# Altium PCB BLE_Gamepad_PCB.PcbDoc (part 2 of 2) (continued)
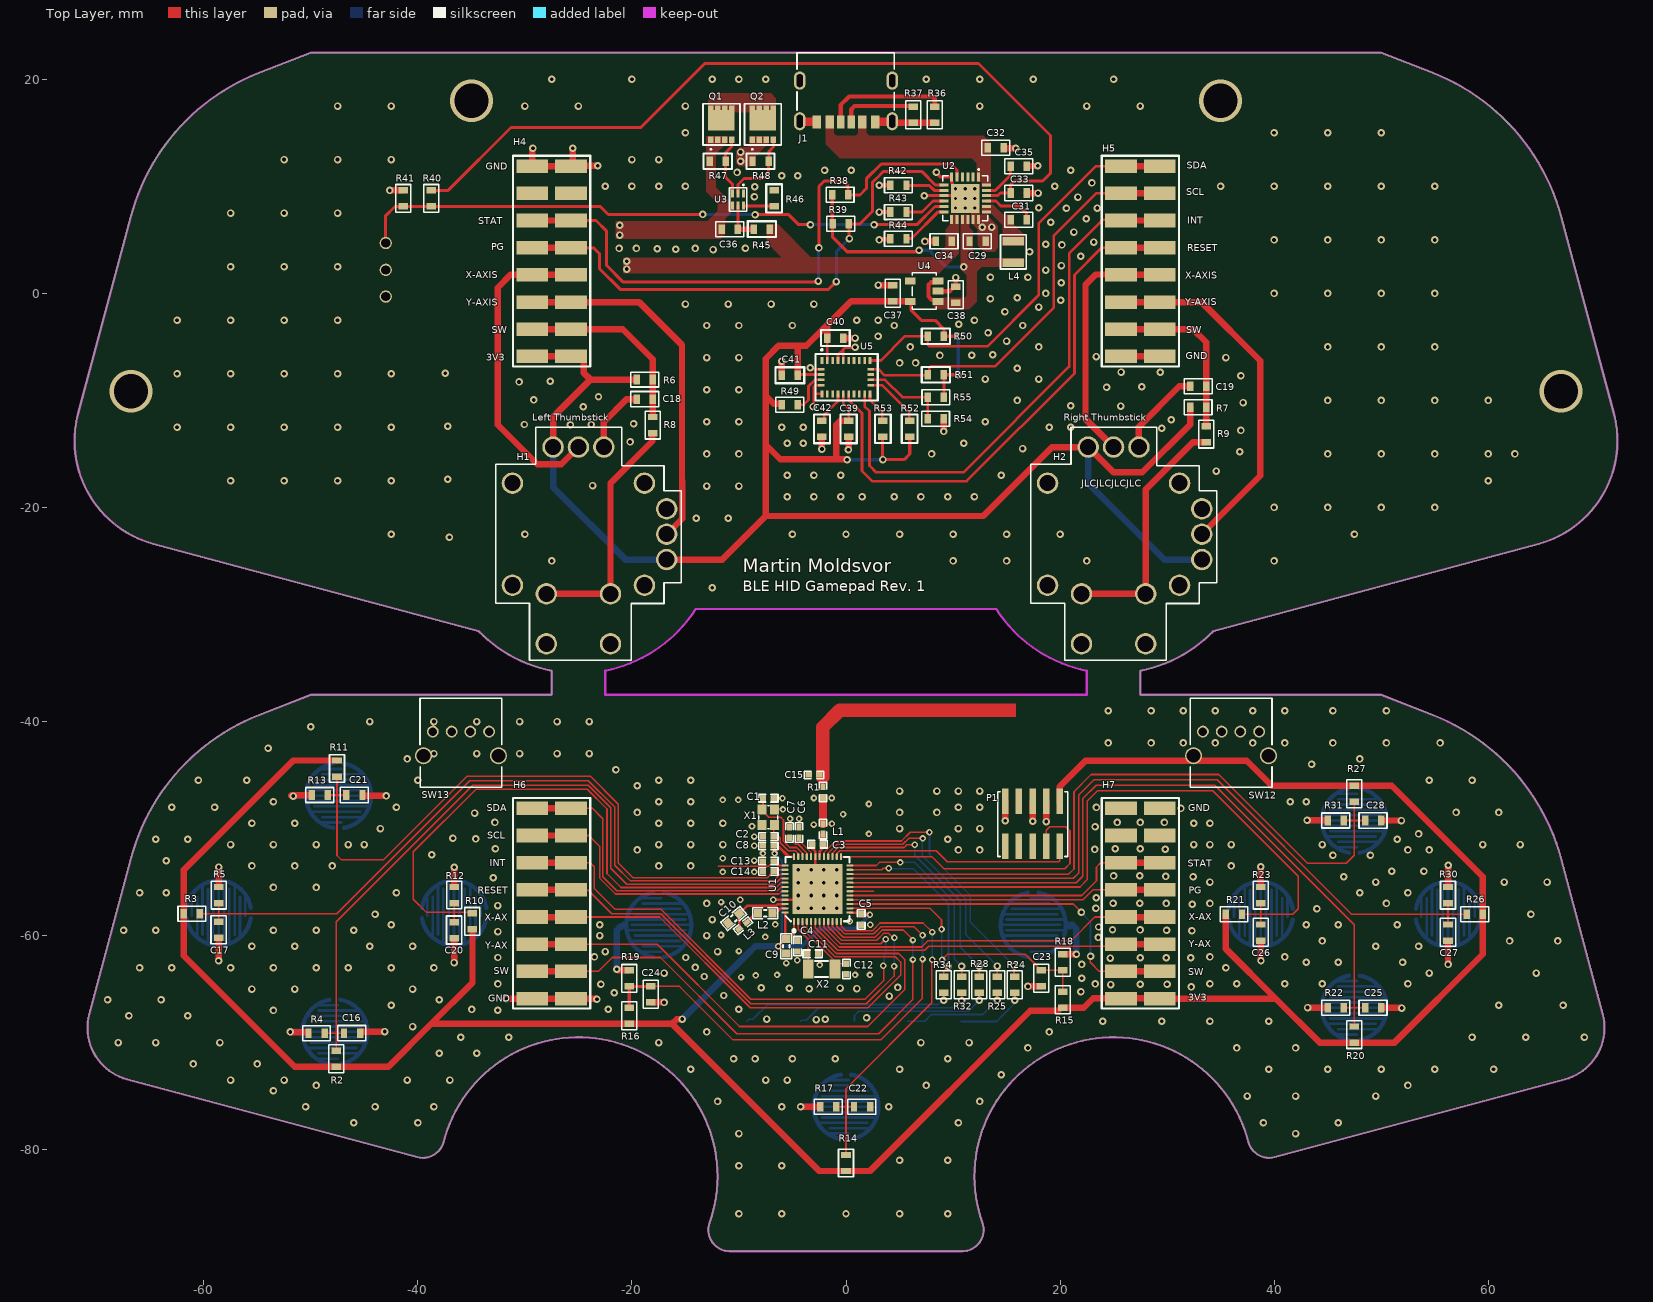
[diagram p0: Top Layer view]
## Nets (pads, with @x,y where several pads share a name; then routed paths per layer and width w, separated by ;. In a path a pad name is that pad's centre, name@x,y a point inside that pad or via, vN(x,y) a via of type N, cw(c..) or ccw(c..) an arc to the next point about the centre after c; other vN are vias at no path point) (continued)
P0.04/AIN2: H7.3 U1.6 | length 33.9
  Top Layer w0.152: U1.6@-2.861,-58.682 -2.861,-59.282 -0.772,-61.371 2.567,-61.371 7.354,-61.371 7.725,-61 25.51,-61 H7.3@25.7,-60.81
  Top Layer w0.6: H7.3@25.7,-60.81 H7.3@29.3,-60.81
P0.05/AIN3: H7.4 U1.7 | length 34.2
  Top Layer w0.152: U1.7@-2.461,-58.682 -2.461,-59.248 -0.645,-61.063 2.638,-61.063 7.087,-61.063 7.65,-60.5 21.015,-60.5 23.245,-58.27 H7.4@25.7,-58.27
  Top Layer w0.6: H7.4@25.7,-58.27 H7.4@29.3,-58.27
P0.06: H6.6 U1.8 | length 51.1
  Top Layer w0.152: H6.6@-25.7,-53.19 -23.91,-53.19 -23.525,-53.575 -23.525,-55.6 -21.575,-57.55 -17.295,-57.55 -8.895,-65.95 1.775,-65.95 3.525,-64.2 3.525,-62.875 v2(3.475,-62.825) ; U1.8@-2.061,-58.682 -2.061,-59.216 -0.519,-60.759 2.567,-60.759 3.246,-60.759 3.666,-60.339 v2(3.714,-60.339)
  Top Layer w0.6: H6.6@-29.3,-53.19 H6.6@-25.7,-53.19
  Bottom Layer w0.152: v2(3.475,-62.825) 3.563,-62.737 3.563,-61.712 3.714,-61.561 v2(3.714,-60.339)
P0.07: H6.5 U1.9 | length 50.5
  Top Layer w0.152: H6.5@-25.7,-55.73 -25.661,-55.769 -24.081,-55.769 -21.884,-57.966 -17.309,-57.966 -8.9,-66.375 1.9,-66.375 4.491,-63.784 v2(4.491,-62.859) ; U1.9@-1.661,-58.682 -1.661,-59.185 -0.393,-60.454 2.844,-60.454 2.92,-60.378 3.498,-59.8 4.001,-59.8 4.401,-60.2 v2(4.525,-60.2)
  Top Layer w0.6: H6.5@-29.3,-55.73 H6.5@-25.7,-55.73
  Bottom Layer w0.152: v2(4.491,-62.859) v2@4.491,-60.218
P0.08: H6.2 U1.10 | length 54.9
  Top Layer w0.152: H6.2@-25.7,-63.35 -23.15,-63.35 -21.85,-62.05 -17.325,-62.05 -10.204,-69.171 3.054,-69.171 6.25,-65.975 v2(6.25,-62.238) v2@6.25,-62.219 ; U1.10@-1.261,-58.682 -1.261,-59.154 -0.266,-60.149 2.718,-60.149 3.388,-59.48 5.355,-59.48 5.778,-59.903 6.25,-60.375 v2(6.25,-60.425)
  Top Layer w0.6: H6.2@-29.3,-63.35 H6.2@-25.7,-63.35
  Bottom Layer w0.152: v2(6.25,-62.238) v2@6.25,-60.5
P0.09: C24.2 R16.1 R19.2 U1.11 | length 48.2
  Top Layer w0.152: C24.2@-18.25,-64.75 -15.55,-64.75 -10.55,-69.75 3.25,-69.75 7.125,-65.875 v2@7.125,-62.182 ; U1.11@-0.861,-58.682 -0.861,-59.123 -0.14,-59.844 2.592,-59.844 3.261,-59.175 5.267,-59.175 6.35,-59.175 v2(7.15,-59.975)
  Top Layer w0.3: R16.1@-20.25,-66.75 R19.2@-20.25,-64.75 C24.2@-18.25,-64.75
  Bottom Layer w0.152: v2@7.125,-60.125 7.15,-60.15 v2(7.15,-62.2)
P0.10: C22.2 R14.1 R17.2 U1.12 | length 35.4
  Top Layer w0.152: R17.2@-0.911,-76 0,-76 ; U1.12@-0.461,-58.682 -0.461,-59.092 -0.014,-59.539 2.461,-59.539 2.482,-59.518 2.488,-59.518 3.18,-58.825 5.222,-58.825 7.2,-58.825 v2(8.05,-59.675) ; R14.1@0,-80.5 0,-76 ; C22.2@0.75,-76 0,-76 ; v2@8.025,-62.268 8.025,-66.275 0,-74.3 0,-76
  Bottom Layer w0.152: v2(8.05,-62.25) v2@8.05,-59.8
P0.11: C23.2 R15.1 R18.2 U1.14 | length 26.9
  Top Layer w0.152: U1.14@0.364,-57.457 2.571,-57.457 7.857,-57.457 8.344,-57.944 8.763,-58.363 8.925,-58.526 v2(8.925,-59.4) ; v2(8.975,-62.25) 9.475,-61.75 16.75,-61.75 C23.2@18.25,-63.25 18.4,-63.25 R18.2@20.25,-63.25 R15.1@20.25,-65.25
  Bottom Layer w0.152: v2(8.925,-59.4) 8.95,-59.425 8.95,-62.225 v2(8.975,-62.25)
P0.12: H7.2 U1.15 | length 34
  Top Layer w0.152: U1.15@0.364,-57.057 2.571,-57.057 21.232,-57.057 v1(22,-57.825) ; v1@22.8,-61.75 22.825,-61.775 22.825,-62.5 23.675,-63.35 H7.2@25.7,-63.35
  Top Layer w0.6: H7.2@25.7,-63.35 H7.2@29.3,-63.35
  Bottom Layer w0.152: v1@21.975,-57.85 22.85,-58.725 v1(22.85,-61.925)
P0.13: H7.5 U1.16 | length 29.3
  Top Layer w0.152: U1.16@0.364,-56.657 2.571,-56.657 22.143,-56.657 23.07,-55.73 H7.5@25.7,-55.73
  Top Layer w0.6: H7.5@25.7,-55.73 H7.5@29.3,-55.73
P0.14: H7.6 U1.17 | length 31
  Top Layer w0.152: U1.17@0.364,-56.257 2.571,-56.257 22.018,-56.257 23.4,-54.875 23.4,-53.6 23.81,-53.19 H7.6@25.7,-53.19
  Top Layer w0.6: H7.6@25.7,-53.19 H7.6@29.3,-53.19
P0.15: U1.18 | length 2.2
  Top Layer w0.152: U1.18@0.364,-55.857 2.571,-55.857
P0.16: C26.2 R21.1 R23.2 U1.19 | length 63.7
  Top Layer w0.152: U1.19@0.364,-55.457 2.571,-55.457 21.863,-55.457 22.525,-54.795 22.525,-47.45 23.5,-46.475 34.275,-46.475 42.25,-54.45 42.25,-57.5 41.75,-58 38.75,-58 ; R21.1@37,-58 38.75,-58 ; C26.2@38.75,-58.965 38.75,-58 ; R23.2@38.75,-56.965 38.75,-58
P0.17: C25.2 R20.1 R22.2 U1.20 | length 72.1
  Top Layer w0.152: U1.20@0.364,-55.057 2.571,-55.057 21.518,-55.057 22.125,-54.45 22.125,-47.2 23.375,-45.95 34.45,-45.95 47.5,-59 47.5,-66.75 ; R22.2@46.5,-66.75 47.5,-66.75 ; R20.1@47.5,-68.5 47.5,-66.75 ; C25.2@48.5,-66.75 47.5,-66.75
P0.18: C27.2 R26.1 R30.2 U1.21 | length 72.9
  Top Layer w0.152: U1.21@0.364,-54.657 2.571,-54.657 21.243,-54.657 21.75,-54.15 21.75,-46.875 23.175,-45.45 34.675,-45.45 47.225,-58 56.25,-58 ; C27.2@56.25,-58.965 56.25,-58 ; R30.2@56.25,-56.965 56.25,-58 ; R26.1@58,-58 56.25,-58
P0.19: C28.2 R27.1 R31.2 U1.22 | length 66
  Top Layer w0.152: U1.22@0.364,-54.257 2.571,-54.257 20.818,-54.257 21.3,-53.775 21.3,-46.55 22.9,-44.95 34.825,-44.95 43.125,-53.25 46.75,-53.25 47.5,-52.5 47.5,-49.25 ; R31.2@46.5,-49.25 47.5,-49.25 ; R27.1@47.5,-47.5 47.5,-49.25 ; C28.2@48.5,-49.25 47.5,-49.25
P0.20: R34.1 U1.23 | length 17.7
  Top Layer w0.152: U1.23@0.364,-53.857 2.571,-53.857 3.334,-53.857 3.467,-53.724 3.976,-53.724 v2(4,-53.7) ; R34.1@9.15,-63.85 9.15,-63.275 v1(9.575,-62.85)
  Bottom Layer w0.152: v2(4,-53.7) 4.049,-53.749 4.533,-53.749 4.534,-53.75 6.3,-53.75 9.575,-57.025 v1(9.575,-62.85)
P0.21: R32.1 U1.24 | length 18.7
  Top Layer w0.152: U1.24@0.364,-53.457 2.571,-53.457 2.843,-53.457 3.134,-53.166 v2(5.075,-53.166) ; R32.1@10.8,-63.85 v1(10.8,-62.875)
  Bottom Layer w0.152: v2(5.075,-53.166) 6.416,-53.166 10.1,-56.85 10.1,-62.175 v1(10.8,-62.875)
P0.22: R28.1 U1.27 | length 23.2
  Top Layer w0.152: U1.27@-1.261,-52.632 -1.261,-52.308 -0.727,-51.774 3.05,-51.774 ; 3.05,-51.774 5.432,-51.774 5.68,-51.525 v2(6.425,-51.525) ; R28.1@12.45,-63.85 v1(12.45,-62.875)
  Bottom Layer w0.152: v2(6.425,-51.525) 6.425,-52.5 10.675,-56.75 10.675,-61.1 v1(12.45,-62.875)
P0.23: R25.1 U1.28 | length 25.6
  Top Layer w0.152: U1.28@-1.661,-52.632 -1.661,-52.277 -0.85,-51.466 3.147,-51.466 5.309,-51.466 5.85,-50.925 v2(7.175,-50.925) ; R25.1@14.125,-63.85 v1(14.125,-62.85)
  Bottom Layer w0.152: v2(7.175,-50.925) 7.125,-50.975 7.125,-52.525 11.175,-56.575 11.175,-59.9 v1(14.125,-62.85)
P0.24: R24.1 U1.29 | length 27.8
  Top Layer w0.152: U1.29@-2.061,-52.632 -2.061,-52.246 -0.976,-51.161 2.571,-51.161 5.183,-51.161 5.995,-50.35 v2(7.8,-50.35) ; v1(15.7,-62.825) 15.7,-63.775 R24.1@15.775,-63.85
  Bottom Layer w0.152: v2(7.8,-50.35) 7.8,-52.425 11.625,-56.25 11.625,-58.75 v1(15.7,-62.825)
P0.25: C13.1 U1.37 | length 6.6
  Top Layer w0.152: -11.932,-53.523 -7.241,-53.523 C13.1@-6.78,-53.062 ; C13.1@-6.759,-53.041 C13.1@-6.78,-53.062 ; U1.37@-5.686,-53.457 -6.385,-53.457 C13.1@-6.78,-53.062
P0.26: C14.1 C21.2 R11.1 R13.2 U1.38 | length 61.9
  Top Layer w0.152: R13.2@-48.42,-46.868 -47.554,-46.868 ; R11.1@-47.554,-45.144 -47.554,-46.868 ; C21.2@-46.677,-46.868 -47.554,-46.868 ; U1.38@-5.686,-53.857 -6.195,-53.857 -6.344,-54.006 -6.809,-54.006 -6.982,-54.18 -6.982,-54.23 -7.343,-54.59 -19.91,-54.59 -21.271,-53.229 -21.271,-47.729 -23.9,-45.1 -35.4,-45.1 -43.2,-52.9 -47.175,-52.9 -47.554,-52.521 -47.554,-46.868
P0.27: C17.2 R3.1 R5.2 U1.39 | length 68.9
  Top Layer w0.152: R3.1@-60.368,-57.964 -58.618,-57.964 ; C17.2@-58.618,-58.714 -58.618,-57.964 ; R5.2@-58.618,-56.964 -58.618,-57.964 ; U1.39@-5.686,-54.257 -6.136,-54.257 -6.754,-54.875 -7.196,-54.875 -7.216,-54.895 -11.944,-54.895 -20.13,-54.895 -21.6,-53.425 -21.6,-47.995 -24.07,-45.525 -35.15,-45.525 -47.589,-57.964 -58.618,-57.964
P0.28/AIN4: C16.2 R2.1 R4.2 U1.40 | length 68.5
  Top Layer w0.152: R4.2@-48.722,-69.118 -47.632,-69.118 ; R2.1@-47.632,-70.75 -47.632,-69.118 ; C16.2@-46.903,-69.118 -47.632,-69.118 ; U1.40@-5.686,-54.657 -6.105,-54.657 -6.648,-55.2 -11.932,-55.2 -20.475,-55.2 -21.975,-53.7 -21.975,-48.05 -24.075,-45.95 -34.875,-45.95 -47.632,-58.707 -47.632,-69.118
P0.29/AIN5: C20.2 R10.1 R12.2 U1.41 | length 56.9
  Top Layer w0.152: C20.2@-36.618,-58.74 -36.618,-57.836 ; R12.2@-36.618,-56.963 -36.618,-57.836 ; R10.1@-34.869,-57.836 -36.618,-57.836 ; U1.41@-5.686,-55.057 -6.074,-55.057 -6.522,-55.505 -11.932,-55.505 -21.02,-55.505 -22.325,-54.2 -22.325,-48.175 -24.175,-46.325 -34.575,-46.325 -40.425,-52.175 -40.425,-56.6 -39.189,-57.836 -36.618,-57.836
P0.30/AIN6: H6.8 U1.42 | length 30.1
  Top Layer w0.152: H6.8@-25.7,-48.11 -23.69,-48.11 -22.721,-49.079 -22.721,-54.499 -21.41,-55.809 -11.932,-55.809 -6.395,-55.809 -6.043,-55.457 U1.42@-5.686,-55.457
  Top Layer w0.6: H6.8@-29.3,-48.11 H6.8@-25.7,-48.11
P0.31/AIN7: H6.7 U1.43 | length 27.7
  Top Layer w0.152: H6.7@-25.7,-50.65 -24.025,-50.65 -23.025,-51.65 -23.025,-54.625 -21.536,-56.114 -11.932,-56.114 -6.269,-56.114 -6.012,-55.857 U1.43@-5.686,-55.857
  Top Layer w0.6: H6.7@-29.3,-50.65 H6.7@-25.7,-50.65
PACK+: C34.2 H3.3 R45.2 U2.13 U2.14
  other v1: -20.475,2.275 -20.475,3
PG: H4.5 R39.1 U2.7 | length 50.1
  Top Layer w0.28: H4.5@-25.7,4.27 -25.694,4.264 -23.589,4.264 -23.05,3.725 -23.05,2.325 -21.1,0.375 -1.625,0.375 v1(-0.9,1.1) ; v1(0.325,5.125) 0.288,5.163 0.288,6.462 R39.1@0.25,6.5 1.3,6.5 2.458,7.658 2.458,10.366 2.834,10.742 2.842,10.742 3.5,11.4 7.076,11.4 8.351,10.125 U2.7@9.164,10.125
  Top Layer w0.6: H4.5@-29.3,4.27 H4.5@-25.7,4.27
  Bottom Layer w0.28: v1(-0.9,1.1) -0.9,3.9 v1(0.325,5.125)
R_SW: C19.2 H5.2 R7.1 R9.1 | length 16.1
  Top Layer w0.6: H5.2@25.7,-3.35 H5.2@29.3,-3.35 32.425,-3.35 33.65,-4.575 C19.2@33.65,-8.675 ; R9.1@33.65,-12.4 C19.2@33.65,-8.875
R_X: H2.2 H5.4 | length 23.6
  Top Layer w0.6: H2.2@25,-14.36 22.375,-11.735 22.375,0.8 23.34,1.765 25.665,1.765 H5.4@25.7,1.73 H5.4@29.3,1.73
R_Y: H2.3 H5.3 | length 33.8
  Top Layer w0.6: H5.3@25.619,-0.891 H5.3@25.7,-0.81 H5.3@29.3,-0.81 33.21,-0.81 38.7,-6.3 38.7,-17.045 H2.3@33.245,-22.5
REGN: C33.2 R40.2 U2.22 | length 76.4
  Top Layer w0.28: R40.2@-38.75,9.625 -37.175,9.625 -31.3,15.5 -19.175,15.5 -13.2,21.475 12.375,21.475 19.1,14.75 19.1,11.225 18.375,10.5 15.725,10.5 15.389,10.164 C33.2@15.389,9.375 14.414,9.375 14.164,9.125 U2.22@13.114,9.125
RF: L1.2 pad.0 R1.1 | length 2.4
  Top Layer w0.762: L1.2@-2.159,-49.561 pad.0@-2.159,-47.148
SA0: R54.1 R55.2 U5.17 | length 8
  Top Layer w0.25: U5.17@2.312,-8.075 3.65,-8.075 5.275,-9.7 R54.1@7.65,-9.7 7.638,-9.713 7.638,-11.688 R55.2@7.625,-11.7
STAT: H4.6 R38.1 U2.5 | length 56.7
  Top Layer w0.28: H4.6@-26.1,6.81 H4.6@-25.7,6.81 -23.36,6.81 -22.4,5.85 -22.4,2.65 -20.8,1.05 -2.974,1.05 -2.954,1.07 -2.68,1.07 v1(-2.6,1.15) ; v1@-2.475,4.275 -2.525,4.325 -2.525,10 -2.025,10.5 -0.25,10.5 0.2,10.05 R38.1@0.2,9.2 1.3,9.2 1.9,9.8 1.9,10.7 3.3,12.1 9.8,12.1 10.379,11.521 U2.5@10.379,10.859
  Top Layer w0.6: H4.6@-29.3,6.81 H4.6@-26.1,6.81
  Bottom Layer w0.28: v1(-2.6,1.15) -2.562,1.188 -2.562,4.212 v1(-2.525,4.25)
SW: C31.2 L4.1 U2.19 U2.20
SWDCLK: P1.4 U1.25 | length 29.1
  Top Layer w0.152: U1.25@-0.461,-52.632 8.032,-52.632 9.15,-53.75 20.45,-53.75 20.925,-53.275 20.925,-50.225 20.525,-49.825 19.025,-49.825 18.7,-50.15 P1.4@18.7,-51.663
SWDIO: P1.5 U1.26 | length 22.9
  Top Layer w0.152: U1.26@-0.861,-52.632 -0.861,-52.342 -0.597,-52.078 8.425,-52.078 9.447,-53.1 19.881,-53.1 19.97,-53.011 P1.5@19.97,-51.825
SYS: C29.2 C38.2 L4.2 R38.2 R39.2 U2.15 U2.16 U4.1 U4.3 | length 20.3
  Top Layer w0.3: R38.2@-1.3,9.2 -1.275,9.175 -1.275,6.525 R39.2@-1.25,6.5 -1.25,5.25 0.1,3.9 v1@6.65,3.9
  Top Layer w0.4: U4.1@8.47,-0.609 8.009,-0.609 7.7,-0.3 7.7,0.797 7.934,1.031 8.47,1.031 U4.3@8.6,1.161
  Bottom Layer w0.3: v1(6.825,4.025) 7.775,4.025 9.325,2.475 v1(11,2.475)
TS: H3.1 R40.1 R41.2 U2.11 | length 56.4
  Top Layer w0.28: H3.1@-43,4.7 -43.047,4.747 -43.047,7.215 -42.136,8.125 R41.2@-41.375,8.125 ; R41.2@-41.25,8.1 -22.932,8.1 -22.207,7.375 v1(-13.375,7.375) ; v1@-8.45,7.35 -5.35,7.35 -4.425,6.425 v1(-3.327,6.425) ; v1(2.625,6.425) 6.619,6.425 8.319,8.125 U2.11@9.164,8.125
  Bottom Layer w0.28: v1(-13.375,7.375) -13.363,7.362 -8.513,7.362 v1(-8.5,7.35) ; v1@-3.375,6.425 v1(-3.327,6.425) v1(2.625,6.425)
V-: R46.2 U3.6 | length 2.9
  Top Layer w0.28: U3.6@-9.586,8.2 -9.586,8.162 -6.749,8.162 R46.2@-6.711,8.125
VBUS: C32.2 J1.A9 J1.B9 U2.1 U2.24
VDD_nRF: C5.1 C8.1 C9.1 H7.1 P1.6 R2.2 R3.2 R10.2 R11.2 R14.2 R15.2 R16.2 R20.2 R21.2 R26.2 R27.2 U1.13 U1.36 U1.48 | length 285.8
  Top Layer w0.152: C5.1@1.284,-57.857 C5.1@1.428,-58.002
  Top Layer w0.229: v2(-6.338,-60.987) -6.338,-60.904 -5.746,-60.312 -5.661,-60.227 U1.48@-5.661,-57.867 ; U1.13@0.364,-57.857 C5.1@1.284,-57.857
  Top Layer w0.254: C8.1@-6.759,-51.618 C8.1@-6.657,-51.618 ; v2(-6.674,-52.33) -6.657,-52.312 C8.1@-6.657,-51.618 ; U1.36@-4.888,-52.634 -5.349,-52.634 -6.365,-51.618 C8.1@-6.657,-51.618
  Top Layer w0.381: C9.1@-5.746,-60.312 C9.1@-5.576,-60.312 ; C5.1@1.428,-58.002 1.45,-58.023 2.22,-58.023 v2(2.241,-58.045)
  Top Layer w0.6: R11.2@-47.554,-43.644 -51.644,-43.644 -61.868,-53.868 R3.2@-61.868,-57.964 -61.868,-61.882 -51.5,-72.25 R2.2@-47.632,-72.25 -42.75,-72.25 -38.75,-68.25 ; R10.2@-34.975,-59.425 R10.2@-34.925,-59.425 -34.9,-59.425 -34.9,-64.4 -38.75,-68.25 ; v1(-15.3,-67.8) -15.319,-67.819 -15.819,-67.819 -16.25,-68.25 ; P1.6@19.97,-47.625 19.97,-46.08 22.375,-43.675 37.45,-43.675 39.775,-46 R27.2@47.5,-46 51,-46 59.5,-54.5 R26.2@59.5,-58 59.5,-61.75 51.25,-70 R20.2@47.5,-70 44.25,-70 40.14,-65.89 ; R21.2@35.5,-58 35.5,-61.25 40.14,-65.89 ; -38.75,-68.25 R16.2@-20.25,-68.25 -16.25,-68.25 ; -16.25,-68.25 -2.5,-82 R14.2@0,-82 2.25,-82 17.225,-67.025 19.825,-67.025 20.1,-66.75 22.2,-66.75 23.1,-65.85 25.7,-65.85 29.26,-65.85 H7.1@29.3,-65.89 40.14,-65.89
  Bottom Layer w0.254: v2(-6.674,-52.33) -6.014,-52.99 -6.014,-60.663 v2(-6.338,-60.987)
  Bottom Layer w0.381: v2(-6.338,-60.987) -4.1,-60.987 -2.477,-59.364 0.922,-59.364 v2(2.241,-58.045)
  Bottom Layer w0.6: v1(-15.3,-67.8) -15.283,-67.8 -9.244,-61.762 -8.47,-60.987 v2(-6.338,-60.987)
VSET: R44.2 U2.12 | length 4.6
  Top Layer w0.28: R44.2@5.65,5.1 5.675,5.125 6.125,5.125 8.625,7.625 U2.12@9.164,7.625
XC1: C1.1 U1.34 X1.1 | length 8
  Top Layer w0.152: C1.1@-7.759,-47.173 -7.759,-48.401 -7.208,-48.951 -6.09,-48.951 -5.836,-49.206 -5.836,-51.201 -5.264,-51.774 -4.595,-51.774 -4.061,-52.308 U1.34@-4.061,-52.632
XC2: C2.1 U1.35 X1.3 | length 4.7
  Top Layer w0.152: C2.1@-6.759,-50.78 -6.759,-49.824 X1.3@-6.559,-49.624 ; C2.1@-6.751,-50.73 -6.318,-50.73 -6.141,-50.907 -6.141,-51.331 -5.394,-52.078 -4.725,-52.078 -4.461,-52.342 U1.35@-4.461,-52.632
pads on no net: H4.7 H7.7 P1.1 P1.2 P1.3 P1.9 SW12.1 SW12.2 SW12.3 SW12.4 SW12.SHIELD SW13.1 SW13.2 SW13.3 SW13.4 SW13.SHIELD U1.44 U2.2 U2.3 U2.4 U3.1 U4.4 U5.1 U5.7 U5.8 U5.12 U5.13 U5.21 U5.22 U5.23 U5.24 U5.27

## Polygon pours and split planes (outlines as drawn)
GND on Top Layer "MAIN_GROUD_POUR_TOP" (solid, remove dead copper, shelved, pour order 27): -67.165,-73.436 cw(c-65.871,-68.607) -70.701,-67.313 -66.819,-52.824 cw(c-47.618,-57.894) -54.793,-39.377 -50,-37.5 -27.5,-37.5 -27.5,-35.257 cw(c-25,-22.5) -34.331,-31.552 -64.665,-23.424 cw(c-62.077,-13.764) -71.736,-11.176 -66.819,7.176 cw(c-47.618,2.106) -54.793,20.623 -50,22.5 50,22.5 54.793,20.623 cw(c47.5,2) 66.819,7.176 71.736,-11.176 cw(c62.077,-13.764) 64.665,-23.424 34.331,-31.552 cw(c25,-22.5) 27.5,-35.257 27.5,-37.5 50,-37.5 54.793,-39.377 cw(c47.5,-58) 66.819,-52.824 70.701,-67.313 cw(c65.871,-68.607) 67.165,-73.436 40.047,-80.703 cw(c39.529,-78.771) 37.592,-79.268 ccw(c25,-82.5) 12.743,-86.833 cw(c10.858,-87.5) 10.858,-89.5 -10.858,-89.5 cw(c-10.858,-87.5) -12.743,-86.833 ccw(c-25,-82.5) -37.592,-79.268 cw(c-39.529,-78.771) -40.047,-80.703
GND on Top Layer "GND_PROT" (solid, pour order 18): -9,14.665 -7.2,14.665 -7.2,14.035 -7.201,14.035 -8.436,12.8 -8.436,11.9 -9.036,11.9 -10,11.9 -10.25,12.15 -10.25,13.325 -9.925,13.65 -9.175,13.65 -9,13.825
CELL- on Top Layer "Top Layer-CELL-" (solid, pour order 17): -21.5,5.1 -11.725,5.1 -11.3,5.525 -11.3,6.975 -10.446,7.829 -10.446,8.575 -10.8,8.575 -12.15,9.925 -12.15,13.025 -11.14,14.035 -11.075,14.035 -11.075,14.665 -13.075,14.665 -13.075,9.475 -12,8.4 -12,7.7 -12.975,6.725 -21.5,6.725
PACK+ on Top Layer "NONET_L02_P-001" (solid, pour order 14): -4.25,1.9 -20.825,1.9 -20.825,3.325 -11.675,3.325 -4.606,3.325
GND on Top Layer "GND_BMS" (solid, pour order 12): 11.739,6.484 12.3,5.924 12.3,4.5 12.9,3.9 13.9,3.9 14.2,4.2 14.2,6.3 13.166,7.334 12.68,7.334 12.439,7.575 11.725,7.575 11.725,7.349 11.739,7.334
NetQ1_5 on Top Layer "ProtecctionDrain" (solid, pour order 10): -12.875,18.125 -12.3,18.7 -7,18.7 -6.55,18.25 -6.55,16.905 -12.875,16.905
PACK+ on Top Layer "PACK+POUR" (solid, pour order 9): 10.519,7.334 10.519,3.719 8.7,1.9 -4.6,1.9 -7.411,4.711 -7.411,6.45 -6.35,6.45 -3.3,3.4 8.3,3.4 9.3,4.4 9.3,6 9.739,6.439 9.739,7.334
SYS on Top Layer "Top Layer-SYS" (solid, pour order 8): 8.1,-1.1 8.5,-1.5 11.5,-1.5 12.225,-0.775 12.225,2.025 12.7,2.5 16.631,2.5 16.639,3.275 12.225,3.275 11.848,3.652 11.848,5.852 11.5,6.2 11.519,6.219 11.519,7.334 10.739,7.334 10.739,2.261 11.3,1.7 11.3,-0.2 11.091,-0.409 8.1,-0.409
SW on Top Layer "NONET_L02_P-001" (solid, pour order 2): 12.689,8.265 13.735,8.265 14.675,7.325 15.689,7.325 15.689,6.425 16.639,5.475 16.639,4.475 14.639,4.475 14.639,6.385 13.539,7.485 12.689,7.485
VBUS on Top Layer "VBUS_POUR" (solid, pour order 1): 2.161,14.739 12.861,14.739 13.539,14.061 13.539,9.985 12.689,9.985 12.689,10.434 12.239,10.434 12.239,12.161 11.761,12.639 -0.6,12.639 -1.9,13.939 -1.9,15.439 -1.9,15.482 -1.9,16.639 -1.14,16.639 -1.14,14.979 -0.9,14.739 0.9,14.739 1.14,14.979 1.14,16.6 1.9,16.6 1.9,15
GND on Bottom Layer "MAIN_GROUND_POUR" (solid, pour order 26): -67.165,-73.436 cw(c-65.871,-68.607) -70.701,-67.313 -66.819,-52.824 cw(c-47.618,-57.894) -54.793,-39.377 -50,-37.5 -27.5,-37.5 -27.5,-35.257 cw(c-25,-22.5) -34.331,-31.552 -64.665,-23.424 cw(c-62.077,-13.764) -71.736,-11.176 -66.819,7.176 cw(c-47.618,2.106) -54.793,20.623 -50,22.5 50,22.5 54.793,20.623 cw(c47.5,2) 66.819,7.176 71.736,-11.176 cw(c62.077,-13.764) 64.665,-23.424 34.331,-31.552 cw(c25,-22.5) 27.5,-35.257 27.5,-37.5 50,-37.5 54.793,-39.377 cw(c47.5,-58) 66.819,-52.824 70.701,-67.313 cw(c65.871,-68.607) 67.165,-73.436 40.047,-80.703 cw(c39.529,-78.771) 37.592,-79.268 ccw(c25,-82.5) 12.743,-86.833 cw(c10.858,-87.5) 10.858,-89.5 -10.858,-89.5 cw(c-10.858,-87.5) -12.743,-86.833 ccw(c-25,-82.5) -37.592,-79.268 cw(c-39.529,-78.771) -40.047,-80.703
PACK+ on Bottom Layer "NONET_L02_P-001" (solid, pour order 24): -20,1.9 -33.525,1.9 -36.55,-1.125 -43.85,-1.125 -43.85,0.6 -37.15,0.6 -34.425,3.325 -20,3.325
CELL- on Bottom Layer "NONET_L02_P-001" (solid, pour order 23): -20.6,6.725 -20.6,5.1 -36.141,5.1 -39.966,1.275 -43.875,1.275 -43.875,3.15 -40.6,3.15 -37.025,6.725

## Keep-outs
Keep-Out Layer:
  lines w0.2: -71.736,-11.176 ccw(c-62.077,-13.764) -64.665,-23.424 -34.331,-31.552 ccw(c-25,-22.5) -27.5,-35.257 -27.5,-37.5 -50,-37.5 -54.793,-39.377 ccw(c-47.618,-57.894) -66.819,-52.824 -70.701,-67.313 ccw(c-65.871,-68.607) -67.165,-73.436 -40.047,-80.703 ccw(c-39.529,-78.771) -37.592,-79.268 cw(c-25,-82.5) -12.743,-86.833 ccw(c-10.858,-87.5) -10.858,-89.5 10.858,-89.5 ccw(c10.858,-87.5) 12.743,-86.833 cw(c25,-82.5) 37.592,-79.268 ccw(c39.529,-78.771) 40.047,-80.703 67.165,-73.436 ccw(c65.871,-68.607) 70.701,-67.313 66.819,-52.824 ccw(c47.5,-58) 54.793,-39.377 50,-37.5 27.5,-37.5 27.5,-35.257 ccw(c25,-22.5) 34.331,-31.552 64.665,-23.424 ccw(c62.077,-13.764) 71.736,-11.176 66.819,7.176 ccw(c47.5,2) 54.793,20.623 50,22.5 25,22.5 -50,22.5 -54.793,20.623 ccw(c-47.618,2.106) -66.819,7.176 -71.736,-11.176 ; -22.5,-37.5 -22.5,-35.257 ccw(c-25,-22.5) -14.046,-29.5 14.046,-29.5 ccw(c25,-22.5) 22.5,-35.257 22.5,-37.5 -22.5,-37.5

## Other copper
Top Layer:
  region net ANT: 15.887,-39.599 15.887,-38.329 15.125,-38.329 15.125,-39.599
  pour cut-out: 8.575,-1.6 8.575,-2.375 8.5,-2.45 7.2,-2.45 6.175,-1.425 6.175,1.911 7.814,1.911 8.115,1.61 8.115,0.831 7.625,0.341 7.625,-0.625 8.6,-1.6
  pour cut-out: 19.675,-62.15 19.675,-62.85 20.9,-62.85 20.9,-62.15
  pour cut-out: 21.725,-58.175 21.725,-57.55 22.35,-57.55 22.837,-58.037 22.837,-58.738 22.425,-59.15 21.5,-58.225 21.5,-57.575 22.025,-57.575 22.075,-57.625
  pour cut-out: 22.675,-53.625 22.675,-54.825 23.25,-54.825 23.25,-53.625
  pour cut-out: -14.4,-60.15 -17.25,-57.3 -17.25,-56.25 -14.625,-56.25 -14.525,-56.35 -14.4,-56.35
  pour cut-out: -19.975,-44.55 -22.5,-42.025 -22.5,-37.5 22.5,-37.5 22.5,-42.025 19.975,-44.55
  pour cut-out: -1.061,-49.942 -1.061,-52.685 -3.956,-52.685 -3.956,-49.942
Bottom Layer:
  pour cut-out: -19.975,-44.55 -22.5,-42.025 -22.5,-37.5 22.5,-37.5 22.5,-42.025 19.975,-44.55

## Silkscreen, mask and mechanical layers (free items; w line width, h text height)
Top Overlay:
  text "SDA" at 31.827,11.627 h0.64
  text "GND" at -33.673,11.552 h0.64
  text "SCL" at 31.802,9.177 h0.64
  text "INT" at 31.877,6.502 h0.64
  text "STAT" at -34.348,6.477 h0.64
  text "PG" at -33.148,4.027 h0.64
  text "RESET" at 31.877,3.927 h0.64
  text "X-AXIS" at -35.523,1.402 h0.64
  text "X-AXIS" at 31.702,1.352 h0.64
  text "Y-AXIS" at 31.702,-1.123 h0.64
  text "Y-AXIS" at -35.473,-1.148 h0.64
  text "SW" at -33.098,-3.723 h0.64
  text "SW" at 31.777,-3.723 h0.64
  text "GND" at 31.752,-6.173 h0.64
  text "3V3" at -33.623,-6.273 h0.64
  text "JLCJLCJLCJLC" at 22.002,-18.048 h0.64
  text "Martin Moldsvor" at -9.625,-26.05 h1.25
  text "BLE HID Gamepad Rev. 1" at -9.625,-27.817 h1
  text "SDA" at -33.573,-48.398 h0.64
  text "GND" at 31.977,-48.398 h0.64
  text "SCL" at -33.498,-50.948 h0.64
  text "INT" at -33.273,-53.523 h0.64
  text "STAT" at 31.952,-53.548 h0.64
  text "RESET" at -34.423,-56.073 h0.64
  text "PG" at 32.027,-56.098 h0.64
  text "X-AX" at 32.027,-58.573 h0.64
  text "X-AX" at -33.773,-58.598 h0.64
  text "Y-AX" at 32.027,-61.073 h0.64
  text "Y-AX" at -33.723,-61.248 h0.64
  text "SW" at -32.923,-63.623 h0.64
  text "SW" at 31.977,-63.723 h0.64
  text "3V3" at 31.977,-66.073 h0.64
  text "GND" at -33.423,-66.198 h0.64
Bottom Overlay:
  text "Martin Moldsvor" at 10.868,-39.775 h1.25
  text "BLE HID Gamepad Rev. 1" at 10.868,-41.542 h1
Mechanical 1:
  circle w0.2: c-25,-22.5 r2.5
  circle w0.2: c25,-22.5 r2.5
  circle w0.2: c-27.5,3 r2.5
  circle w0.2: c27.5,3 r2.5
  circle w0.2: c-47.618,-68.894 r2.5
  circle w0.2: c-47.618,-46.894 r2.5
  circle w0.2: c-66.797,-9.141 r2.283
  circle w0.2: c-27.5,-57 r2.5
  circle w0.2: c27.5,-57 r2.5
  circle w0.2: c35,18 r2.5
  circle w0.2: c-35,18 r2.5
  circle w0.2: c-17.5,-59 r2.5
  circle w0.2: c0,-76 r2.5
  circle w0.2: c17.5,-59 r2.5
  circle w0.2: c66.797,-9.141 r2.283
  circle w0.2: c-36.618,-57.894 r2.5
  circle w0.2: c-58.618,-57.894 r2.5
  circle w0.2: c56.25,-58 r2.5
  circle w0.2: c38.75,-58 r2.5
  circle w0.2: c47.5,-66.75 r2.5
  circle w0.2: c47.5,-49.25 r2.5